# KiCad board TimeDisk.kicad_pcb (continued)
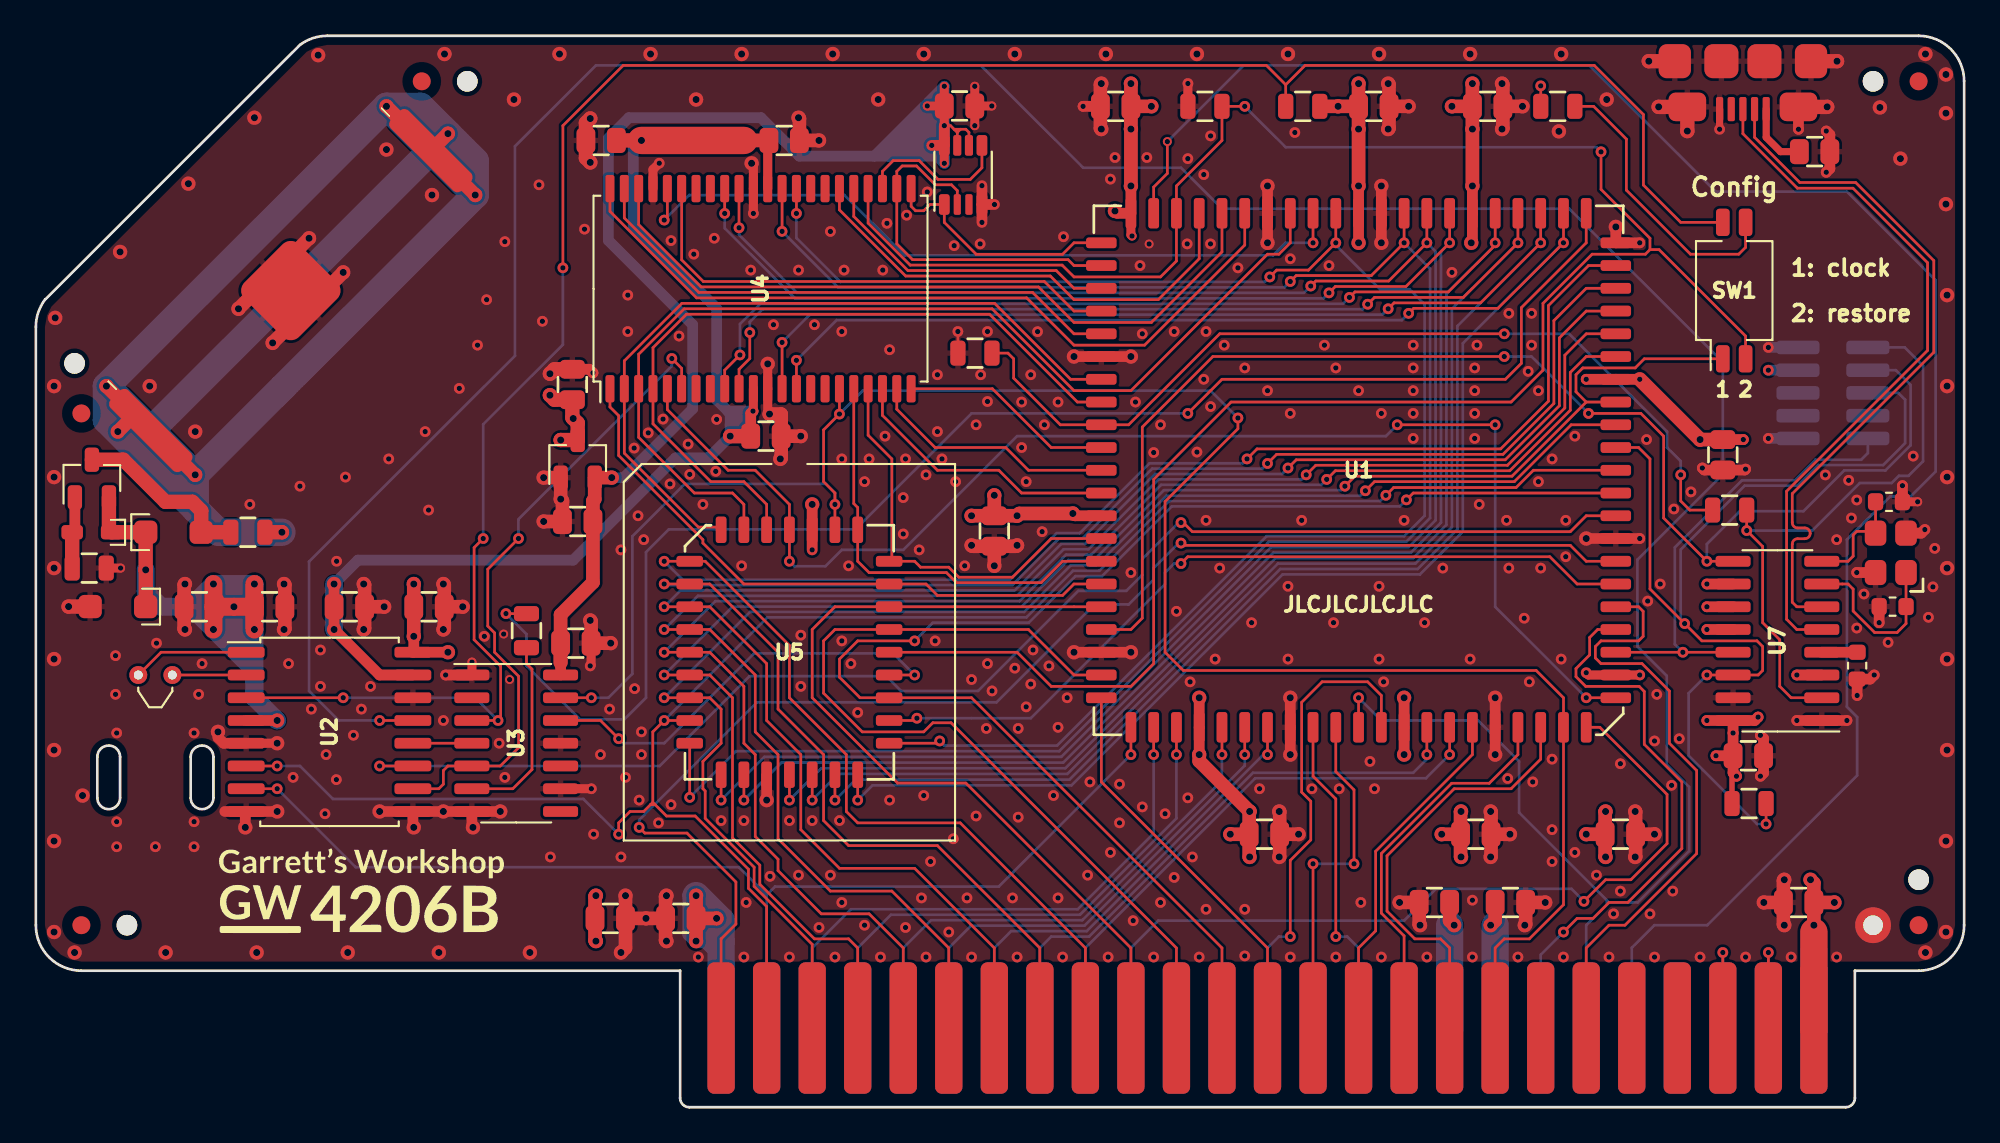
[diagram p0: board, top side]
## Routing (per net, layer and track width the routed paths; a pad name or vN(x,y) marks a point on that pad's centre or on a via; arc(x,y) is an arc through that point) (continued)

## Copper pours and planes (outline as drawn; the poured copper is in the pictures)
+5V on In2.Cu: 105.03,59.31 105.66,59.18 106.3,58.8 106.68,58.42 106.93,57.91 107.06,57.28 107.06,10.16 106.93,9.52 106.68,9.02 106.17,8.51 105.66,8.25 105.03,8.13 101.09,8.13 100.97,8 100.97,0.76 100.71,0.51 36.7,0.51 36.45,0.76 36.45,8 36.32,8.13 2.54,8.13 1.91,8.25 1.4,8.51 0.89,9.02 0.63,9.52 0.51,10.16 0.51,43.56 0.62,44.2 0.87,44.7 15.11,58.93 15.62,59.18 16.26,59.31
GND on Top: 105.03,59.31 105.66,59.18 106.3,58.8 106.68,58.42 106.93,57.91 107.06,57.28 107.06,10.16 106.93,9.52 106.68,9.02 106.17,8.51 105.66,8.25 105.03,8.13 2.54,8.13 1.91,8.25 1.4,8.51 0.89,9.02 0.63,9.52 0.51,10.16 0.51,43.56 0.62,44.2 0.87,44.7 15.11,58.93 15.62,59.18 16.26,59.31
GND on Bottom: 105.03,59.31 105.66,59.18 106.3,58.8 106.68,58.42 106.93,57.91 107.06,57.28 107.06,10.16 106.93,9.52 106.68,9.02 106.17,8.51 105.66,8.25 105.03,8.13 2.54,8.13 1.91,8.25 1.4,8.51 0.89,9.02 0.63,9.52 0.51,10.16 0.51,43.56 0.62,44.2 0.87,44.7 15.11,58.93 15.62,59.18 16.26,59.31
GND on In1.Cu: 105.03,59.31 105.66,59.18 106.3,58.8 106.68,58.42 106.93,57.91 107.06,57.28 107.06,10.16 106.93,9.52 106.68,9.02 106.17,8.51 105.66,8.25 105.03,8.13 101.09,8.13 100.97,8 100.97,0.76 100.71,0.51 36.7,0.51 36.45,0.76 36.45,8 36.32,8.13 2.54,8.13 1.91,8.25 1.4,8.51 0.89,9.02 0.63,9.52 0.51,10.16 0.51,43.56 0.62,44.2 0.87,44.7 15.11,58.93 15.62,59.18 16.26,59.31

## Text on the board
B.Silkscreen: ! | B10 | ZK, GF | Toward Rear
F.Silkscreen: JLCJLCJLCJLC | 1 | 2 | 1: clock | 2: restore | Config
